# Altium PCB OIS_Anakart.PcbDoc (part 1 of 3)
Units mm, origin at the board's own origin, x right, y up, seen from the top; angles counter-clockwise.
Board outline 285.58 x 103.2 mm, 4 copper layers (Top Layer, GND, PWR, Bottom Layer), stack 0.603 mm thick; 221 components, 193 nets, 759 pads, 338 vias.
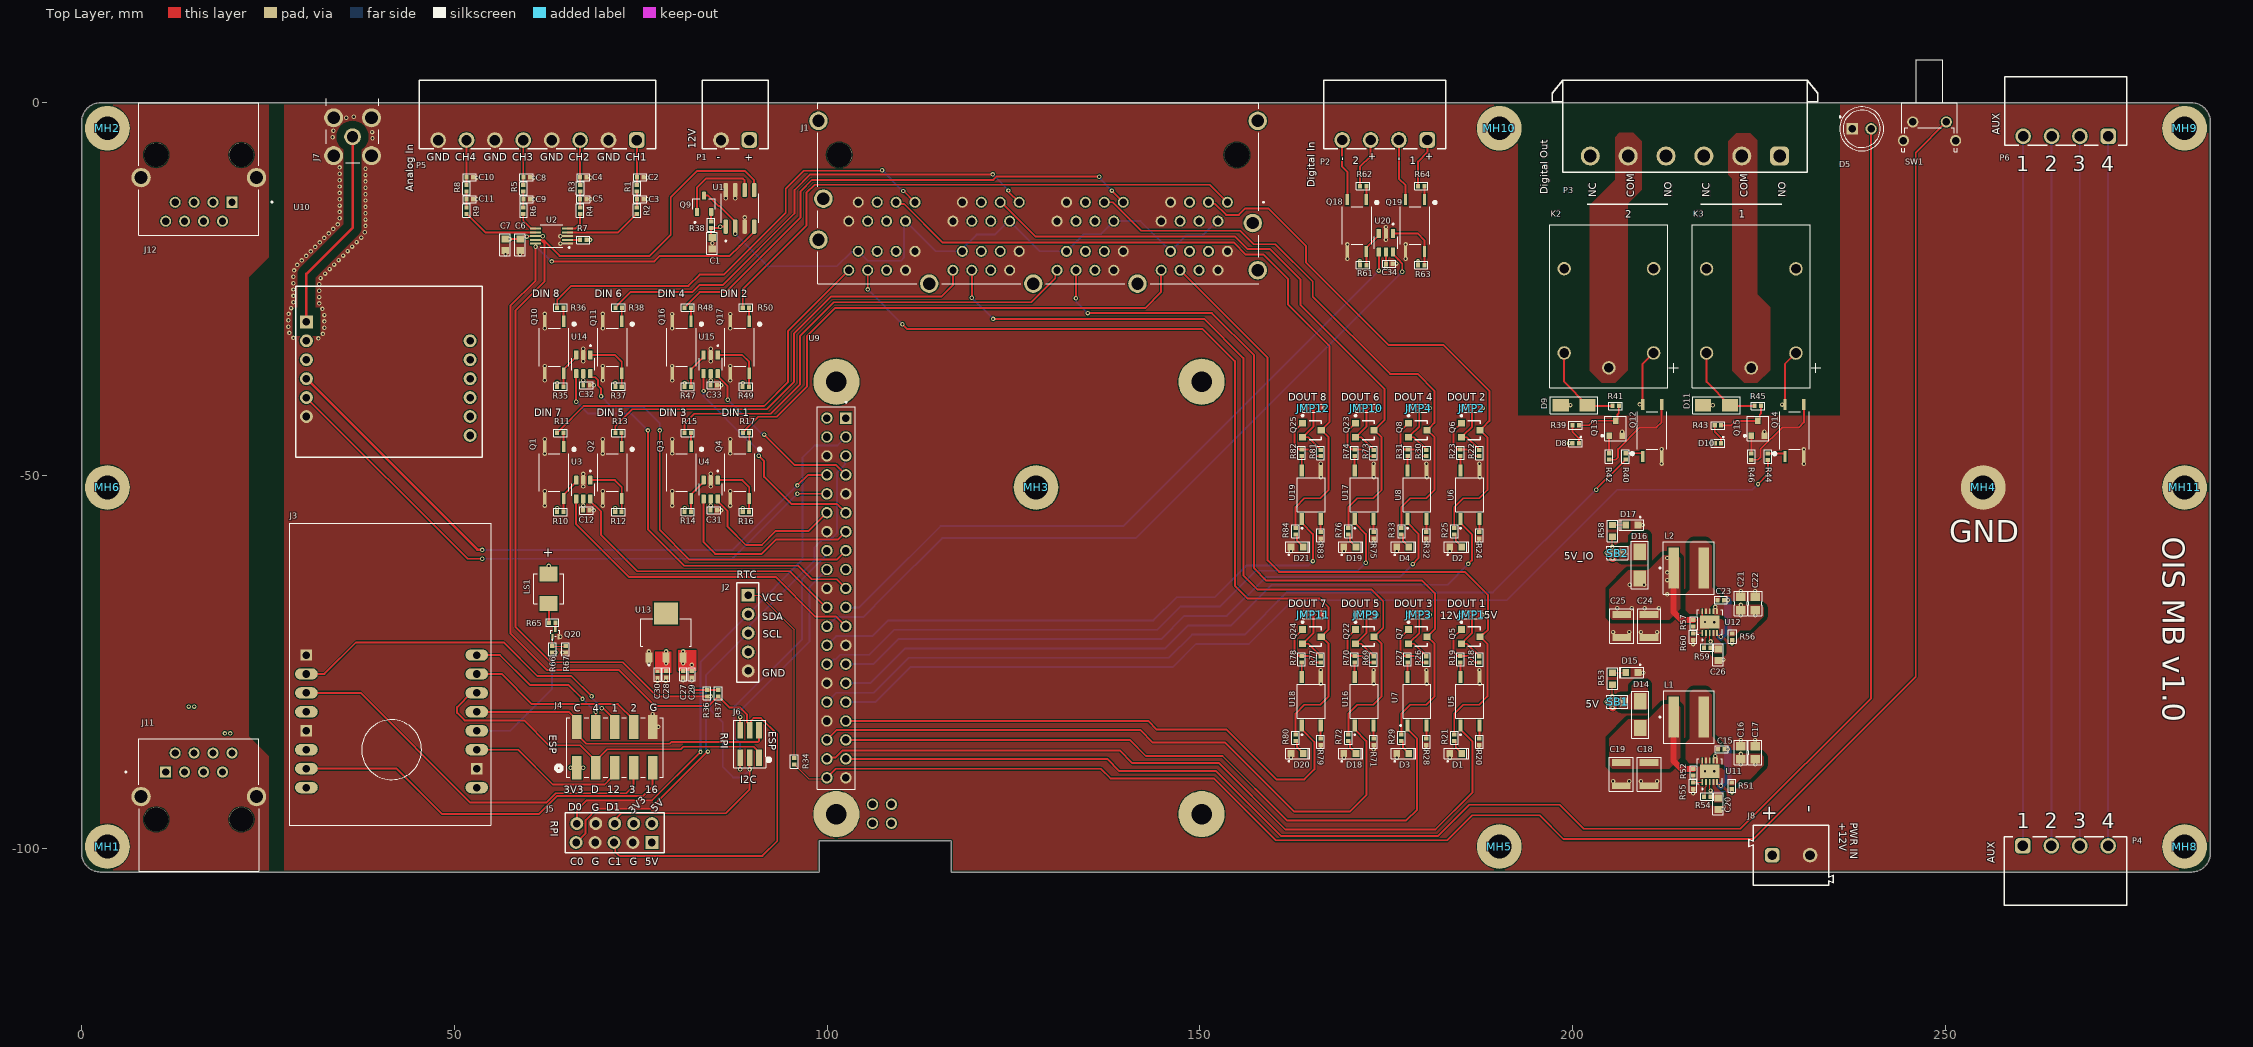
[diagram p0: Top Layer view]
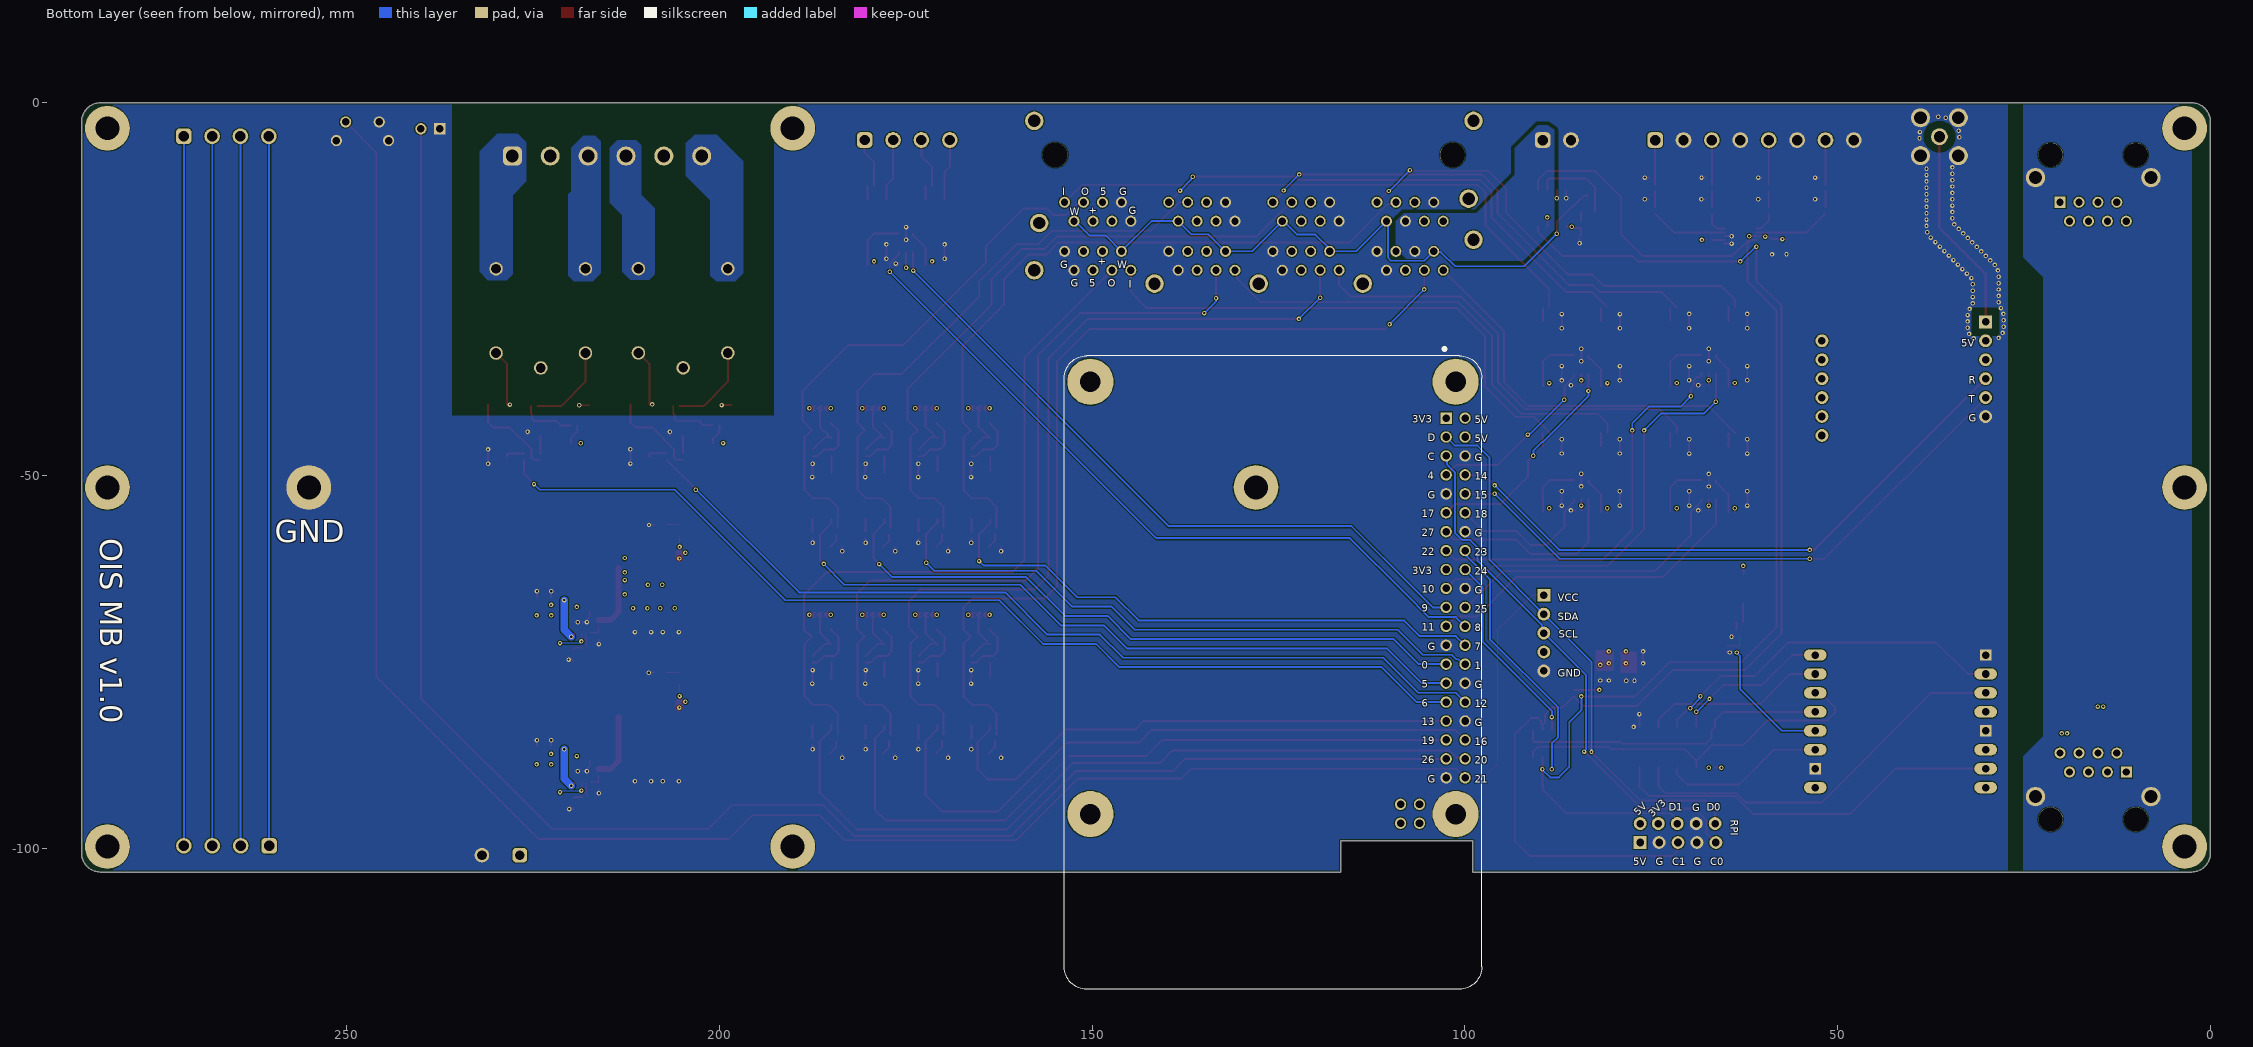
[diagram p1: Bottom Layer view, seen from below]
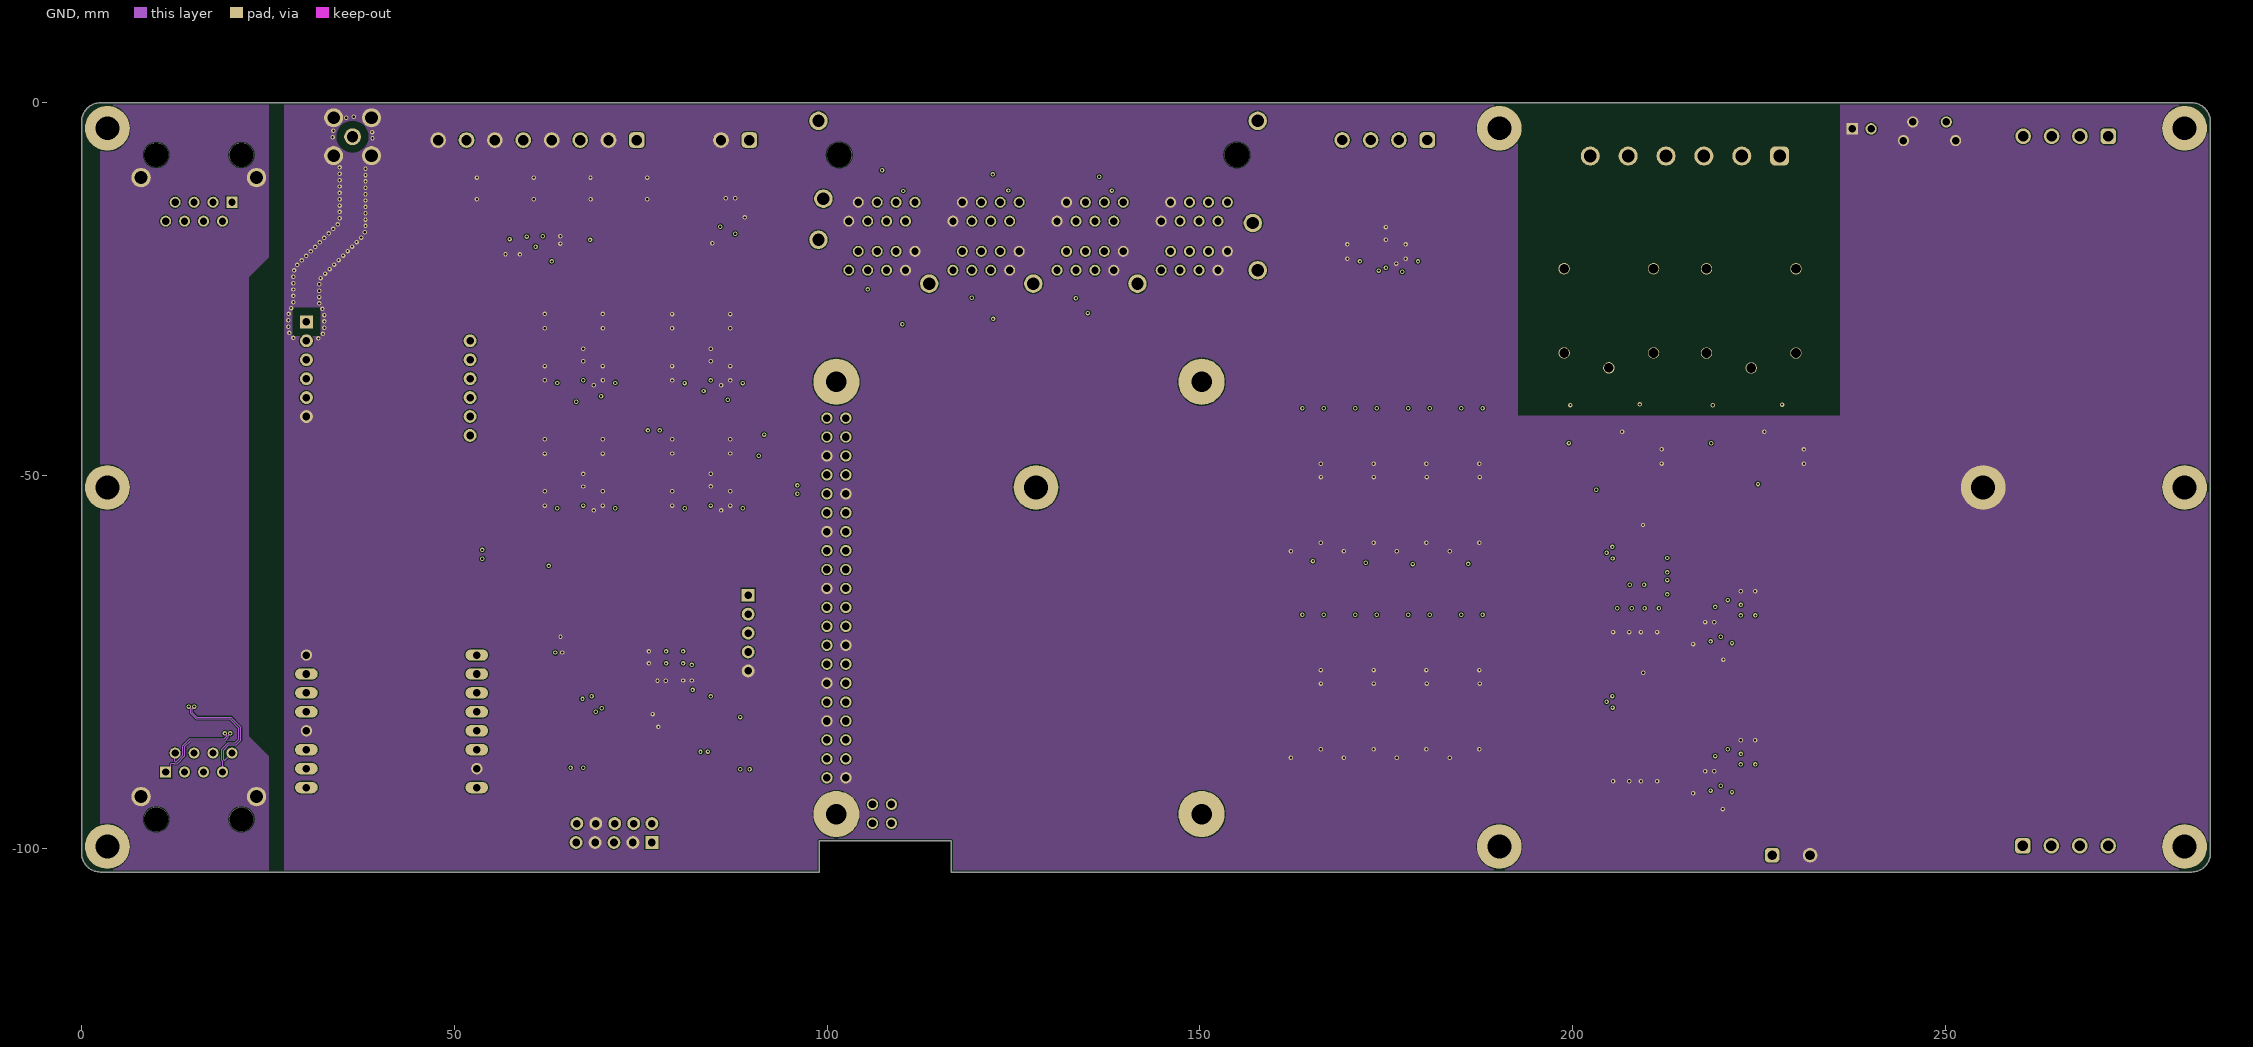
[diagram p2: GND]
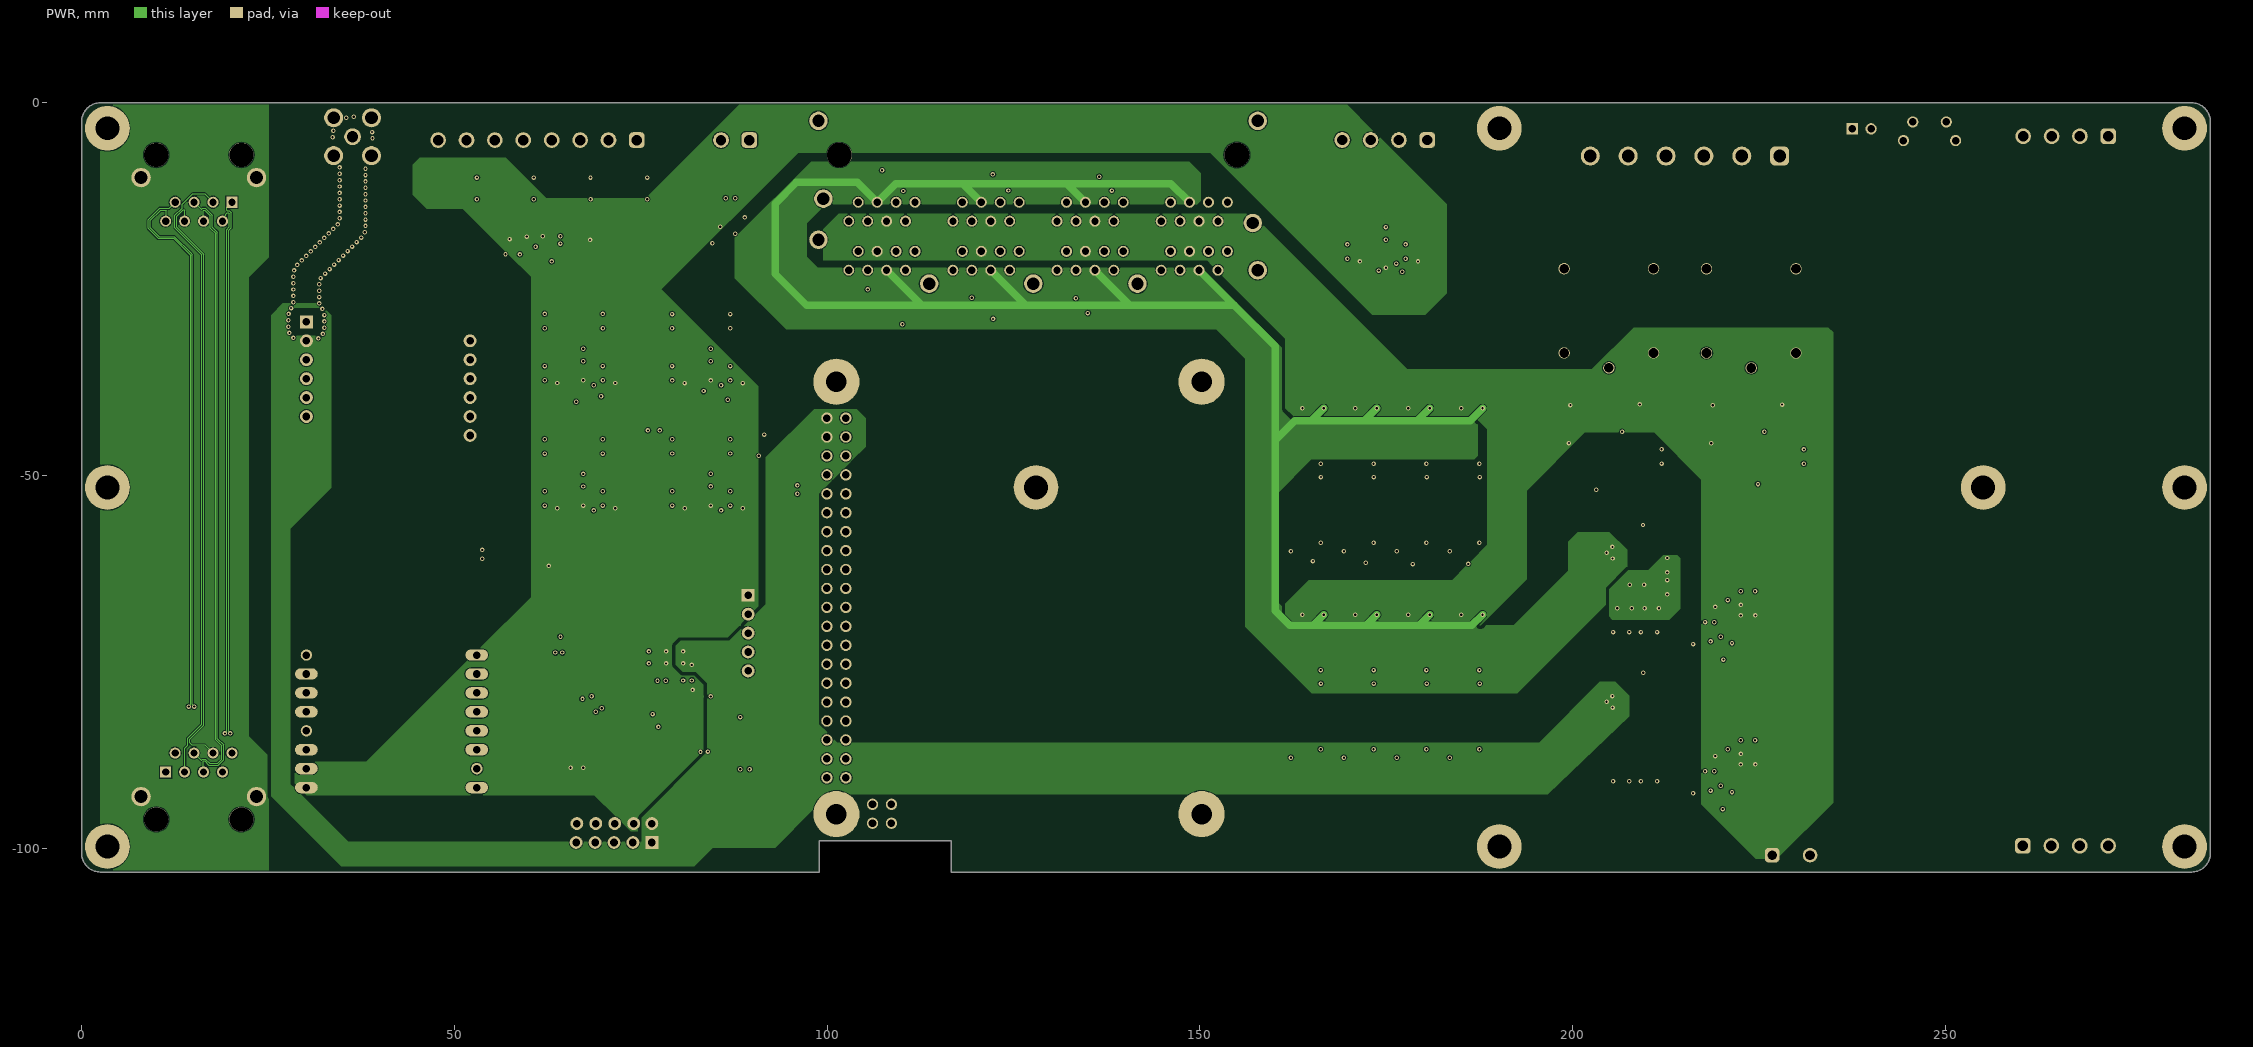
[diagram p3: PWR]
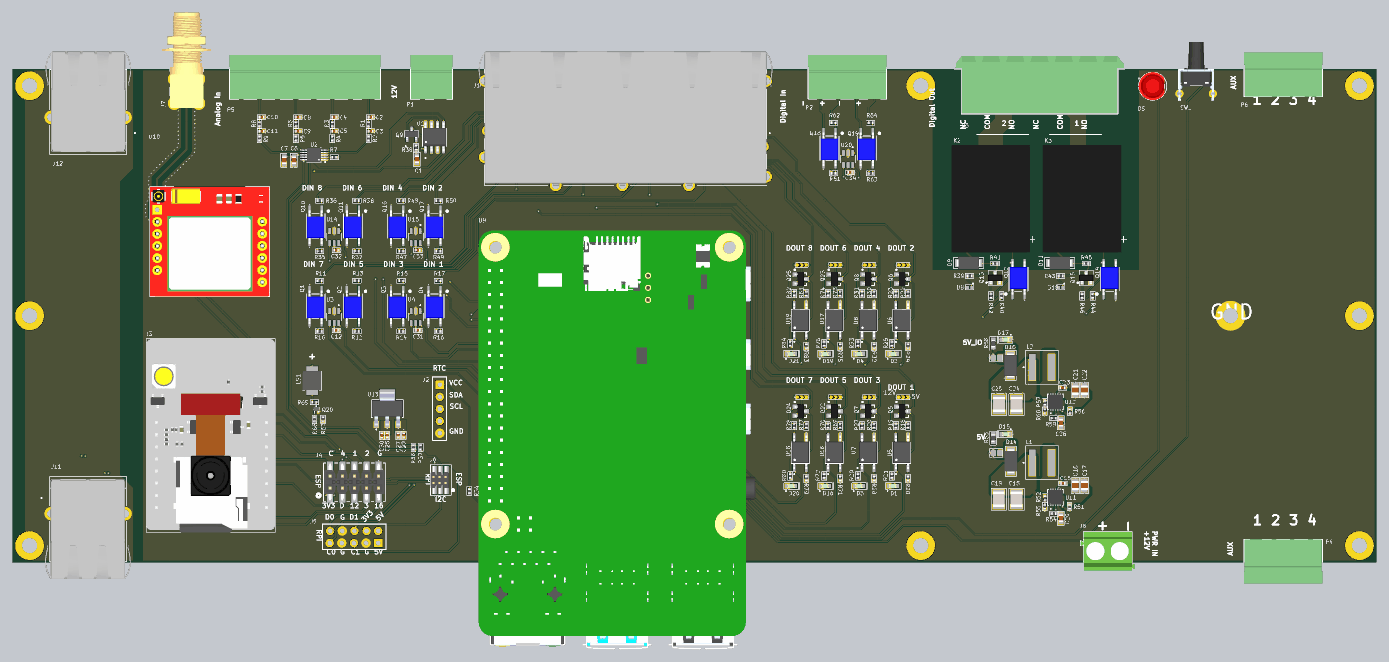
[diagram p6: 3D render of the assembled board from above, using the file's embedded part models]

## Layer stack, top to bottom
Top Solder: solder mask 0.0102, Solder Resist, Dk 3.5
Top Layer: signal copper 0.0356
Dielectric 2: prepreg 0.0711, PP-006, Dk 4.1
GND: signal copper 0.035
Dielectric 1: dielectric 0.32, FR-4, Dk 4.8
PWR: signal copper 0.035
Dielectric 3: prepreg 0.0711, PP-006, Dk 4.1
Bottom Layer: signal copper 0.0356
Bottom Solder: solder mask 0.0102, Solder Resist, Dk 3.5

## Board outline
0,-100.7 ccw(c2.5,-100.7) 2.5,-103.2 98.929,-103.2 98.929,-99.026 116.679,-99.026 116.679,-103.2 283.076,-103.2 ccw(c283.076,-100.7) 285.576,-100.7 285.576,-2.5 ccw(c283.076,-2.5) 283.076,0 2.5,0 ccw(c2.5,-2.5) 0,-2.5

## Design rules (kind name [scope] priority, off if disabled: settings)
BoardOutlineClearance [All] p1: gap=0.254 ignorepadtopadclearanceinfootprint=FALSE except(0: Arc-SplitContinuation Track-SplitContinuation SMDPad-SplitContinuation THPad-SplitContinuation Via-SplitContinuation Fill-SplitContinuation Poly-SplitContinuation Region-SplitContinuation Text-SplitContinuation)
Clearance [InNet('GMS_ANT')] p1: gap=1 ignorepadtopadclearanceinfootprint=FALSE except(0.8: Arc-THPad Track-THPad SMDPad-THPad THPad-THPad)
Clearance Clearance_1 [All] p2: gap=0.127 ignorepadtopadclearanceinfootprint=FALSE except(0.5: Poly-Poly)
DiffPairsRouting [All] p1: maxlimit=0.254 minlimit=0.127 mostfreqgap=0.127 toplayer_minwidth=0.127 toplayer_maxwidth=0.381 toplayer_prefwidth=0.127 midlayer1_minwidth=0.127 midlayer1_maxwidth=0.381 midlayer1_prefwidth=0.127 midlayer2_minwidth=0.127 midlayer2_maxwidth=0.381 midlayer2_prefwidth=0.127 bottomlayer_minwidth=0.127 bottomlayer_maxwidth=0.381 bottomlayer_prefwidth=0.127 maxuncoupledlength=12.7
Height [All] p1: minheight=0 maxheight=50 prefheight=12.7
HoleSize [All] p1: absolutevalues=TRUE maxlimit=3.5 minlimit=0.025 maxpercent=80.000 minpercent=20.000
PolygonConnect [All] p1: connectstyle=Direct reliefconductorwidth=0.254 reliefentries=4 polygonreliefangle="90 Angle" airgapwidth=0.254
RoutingVias [All] p1: holewidth=0.3 width=0.6 viastyle="Through Hole" minholewidth=0.3 minwidth=0.6 maxholewidth=0.3 maxwidth=0.6
SolderMaskExpansion [All] p1: expansion=0.102 istentingtop=FALSE
Width [All] p1: maxlimit=1 minlimit=0.127 preferedwidth=0.127
27 further rules are at their usual default settings.

## Classes and differential pairs
channel class OIS_Relay: U_OIS_Relay1 U_OIS_Relay2
channel class DIGITAL_OUTPUT_2CH: U_DIGITAL_OUTPUT_2CH_1 U_DIGITAL_OUTPUT_2CH_2 U_DIGITAL_OUTPUT_2CH_3 U_DIGITAL_OUTPUT_2CH_4 U_DIGITAL_OUTPUT_2CH_5 U_DIGITAL_OUTPUT_2CH_6 U_DIGITAL_OUTPUT_2CH_7 U_DIGITAL_OUTPUT_2CH_8
channel class DIGITAL_INPUT_2CH: U_DIGITAL_INPUT_2CH_1 U_DIGITAL_INPUT_2CH_2 U_DIGITAL_INPUT_2CH_3 U_DIGITAL_INPUT_2CH_4 U_DIGITAL_INPUT_2CH_5
differential pair DD: +DD_P -DD_N
differential pair DC: +DC_P -DC_N
differential pair DB: +DB_P -DB_N
differential pair DA: +DA_P -DA_N
